# Altium PCB 600W INV MCU VA1.1.PcbDoc (part 1 of 2)
Units mm, origin at the board's own origin, x right, y up, seen from the top; angles counter-clockwise.
Board outline 99.5 x 45 mm, 4 copper layers (Top Layer, Layer 1, Layer 2, Bottom Layer), stack 1.812 mm thick; 222 components, 154 nets, 714 pads, 323 vias.
Unrouted connection lines stored in the file: 179.
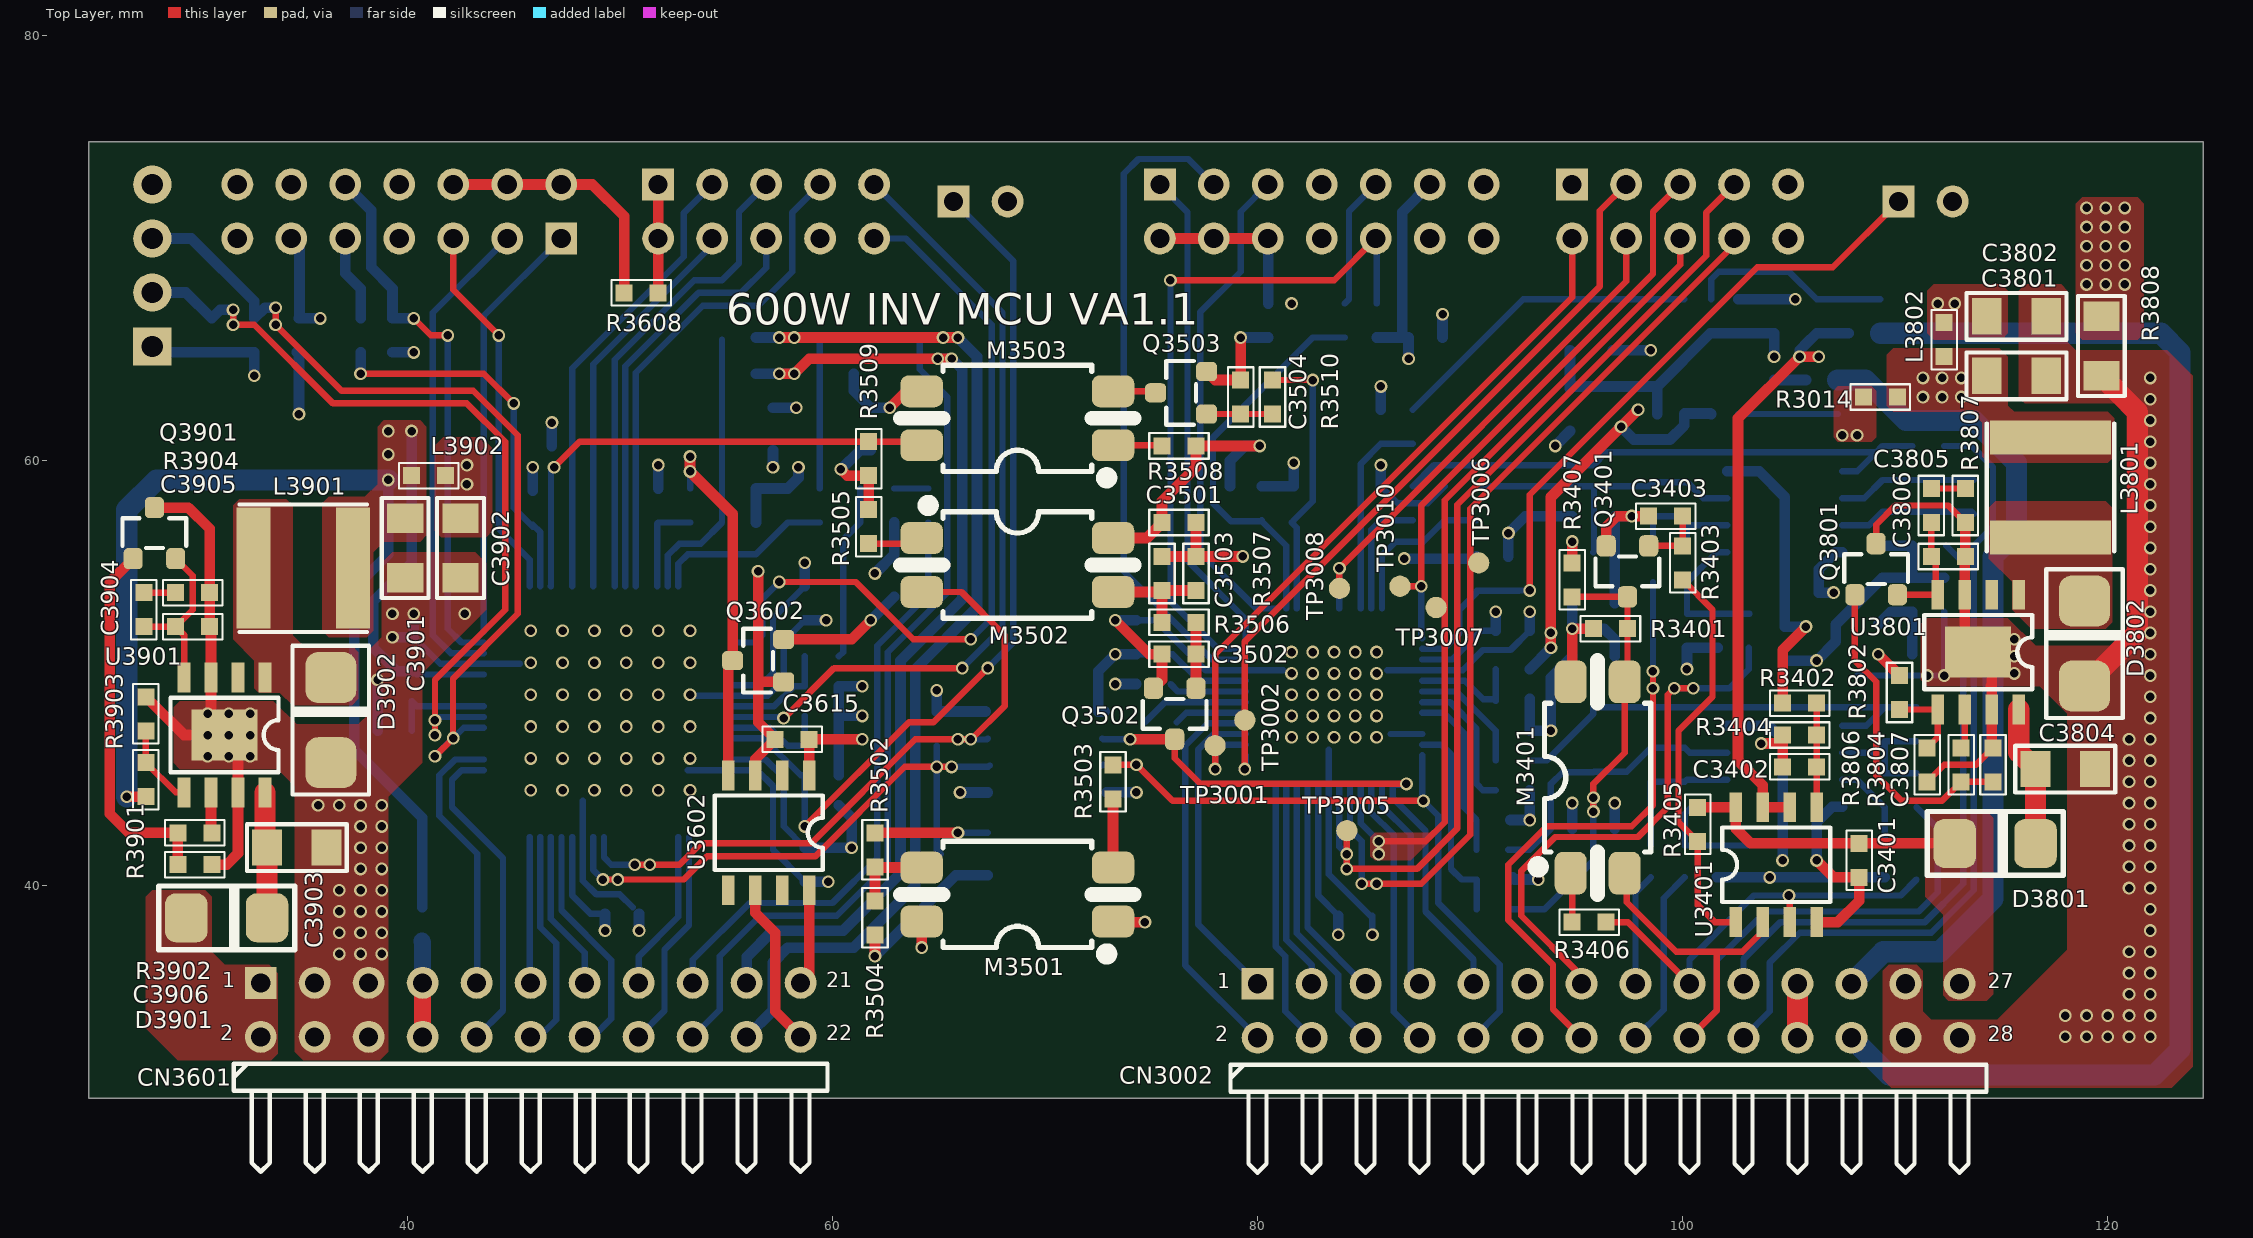
[diagram p0: Top Layer view]
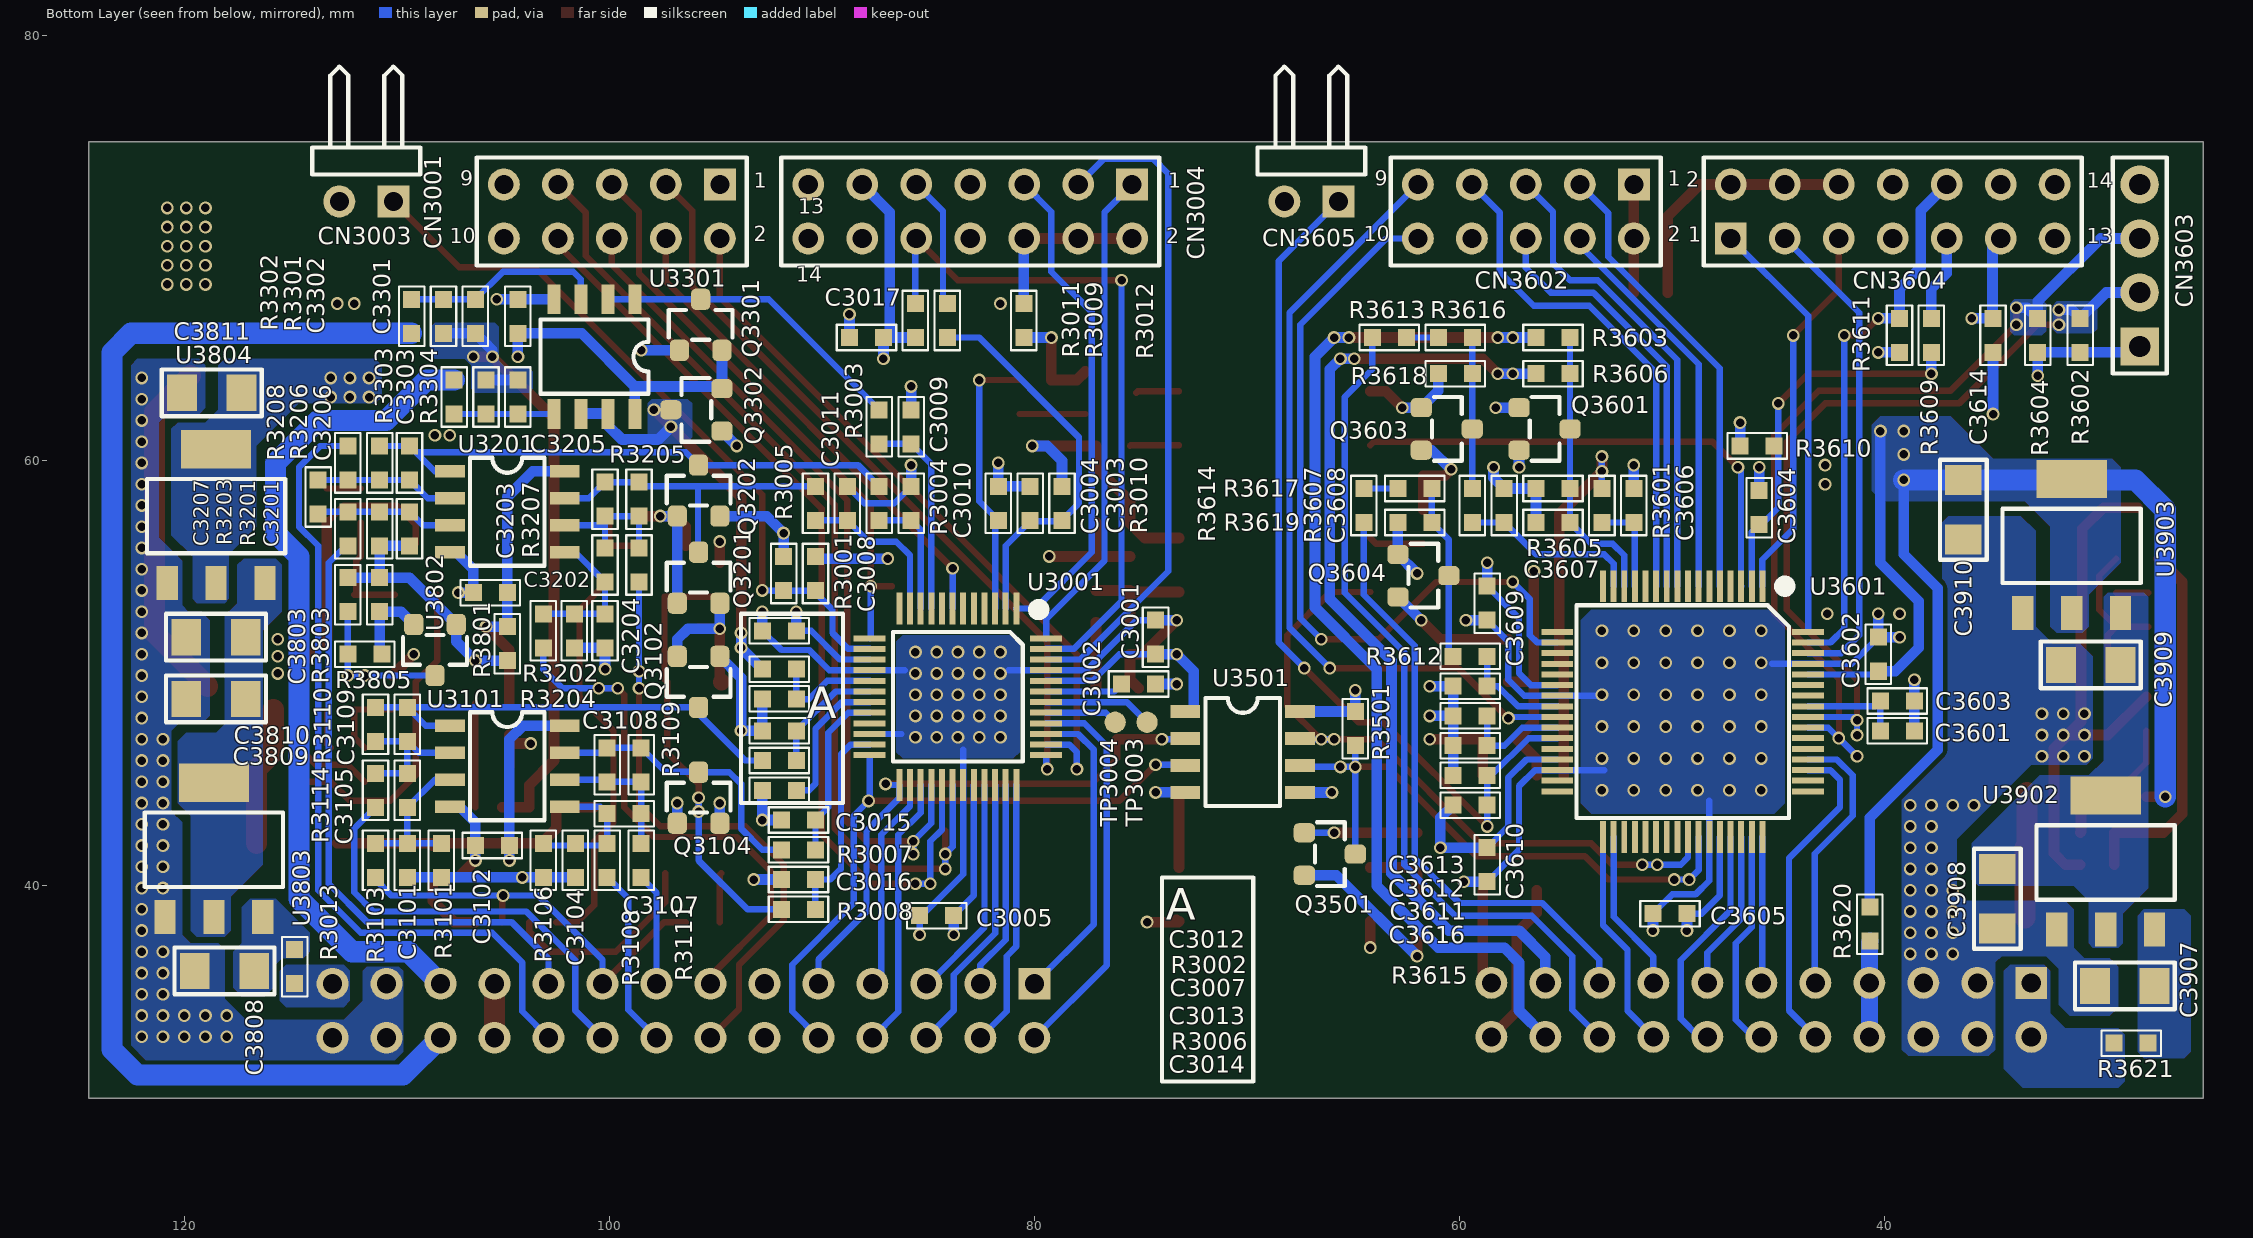
[diagram p1: Bottom Layer view, seen from below]
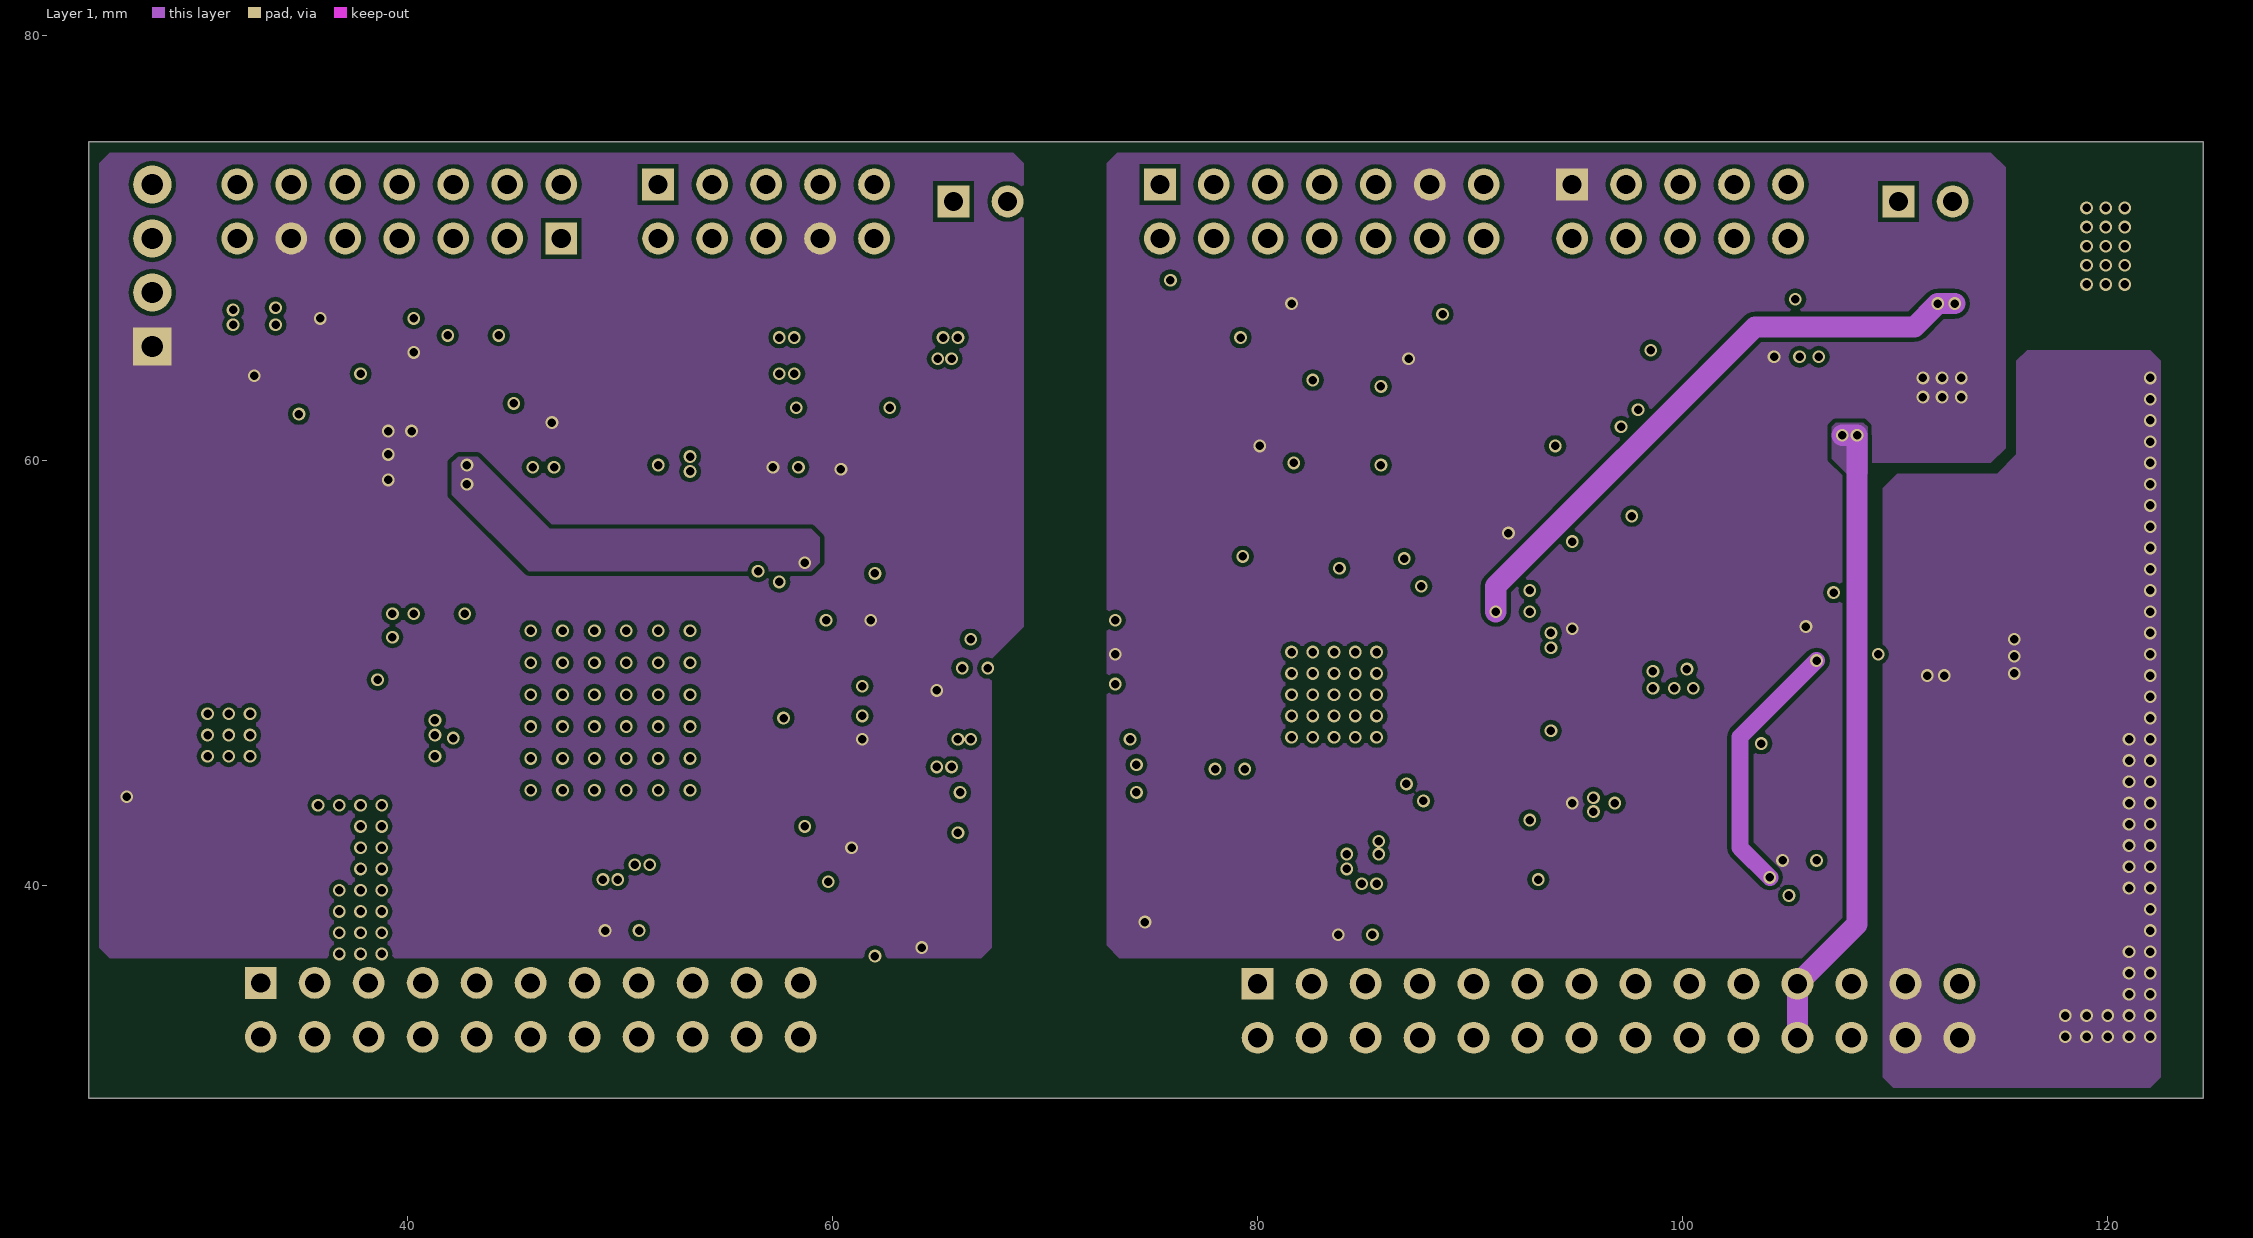
[diagram p2: Layer 1]
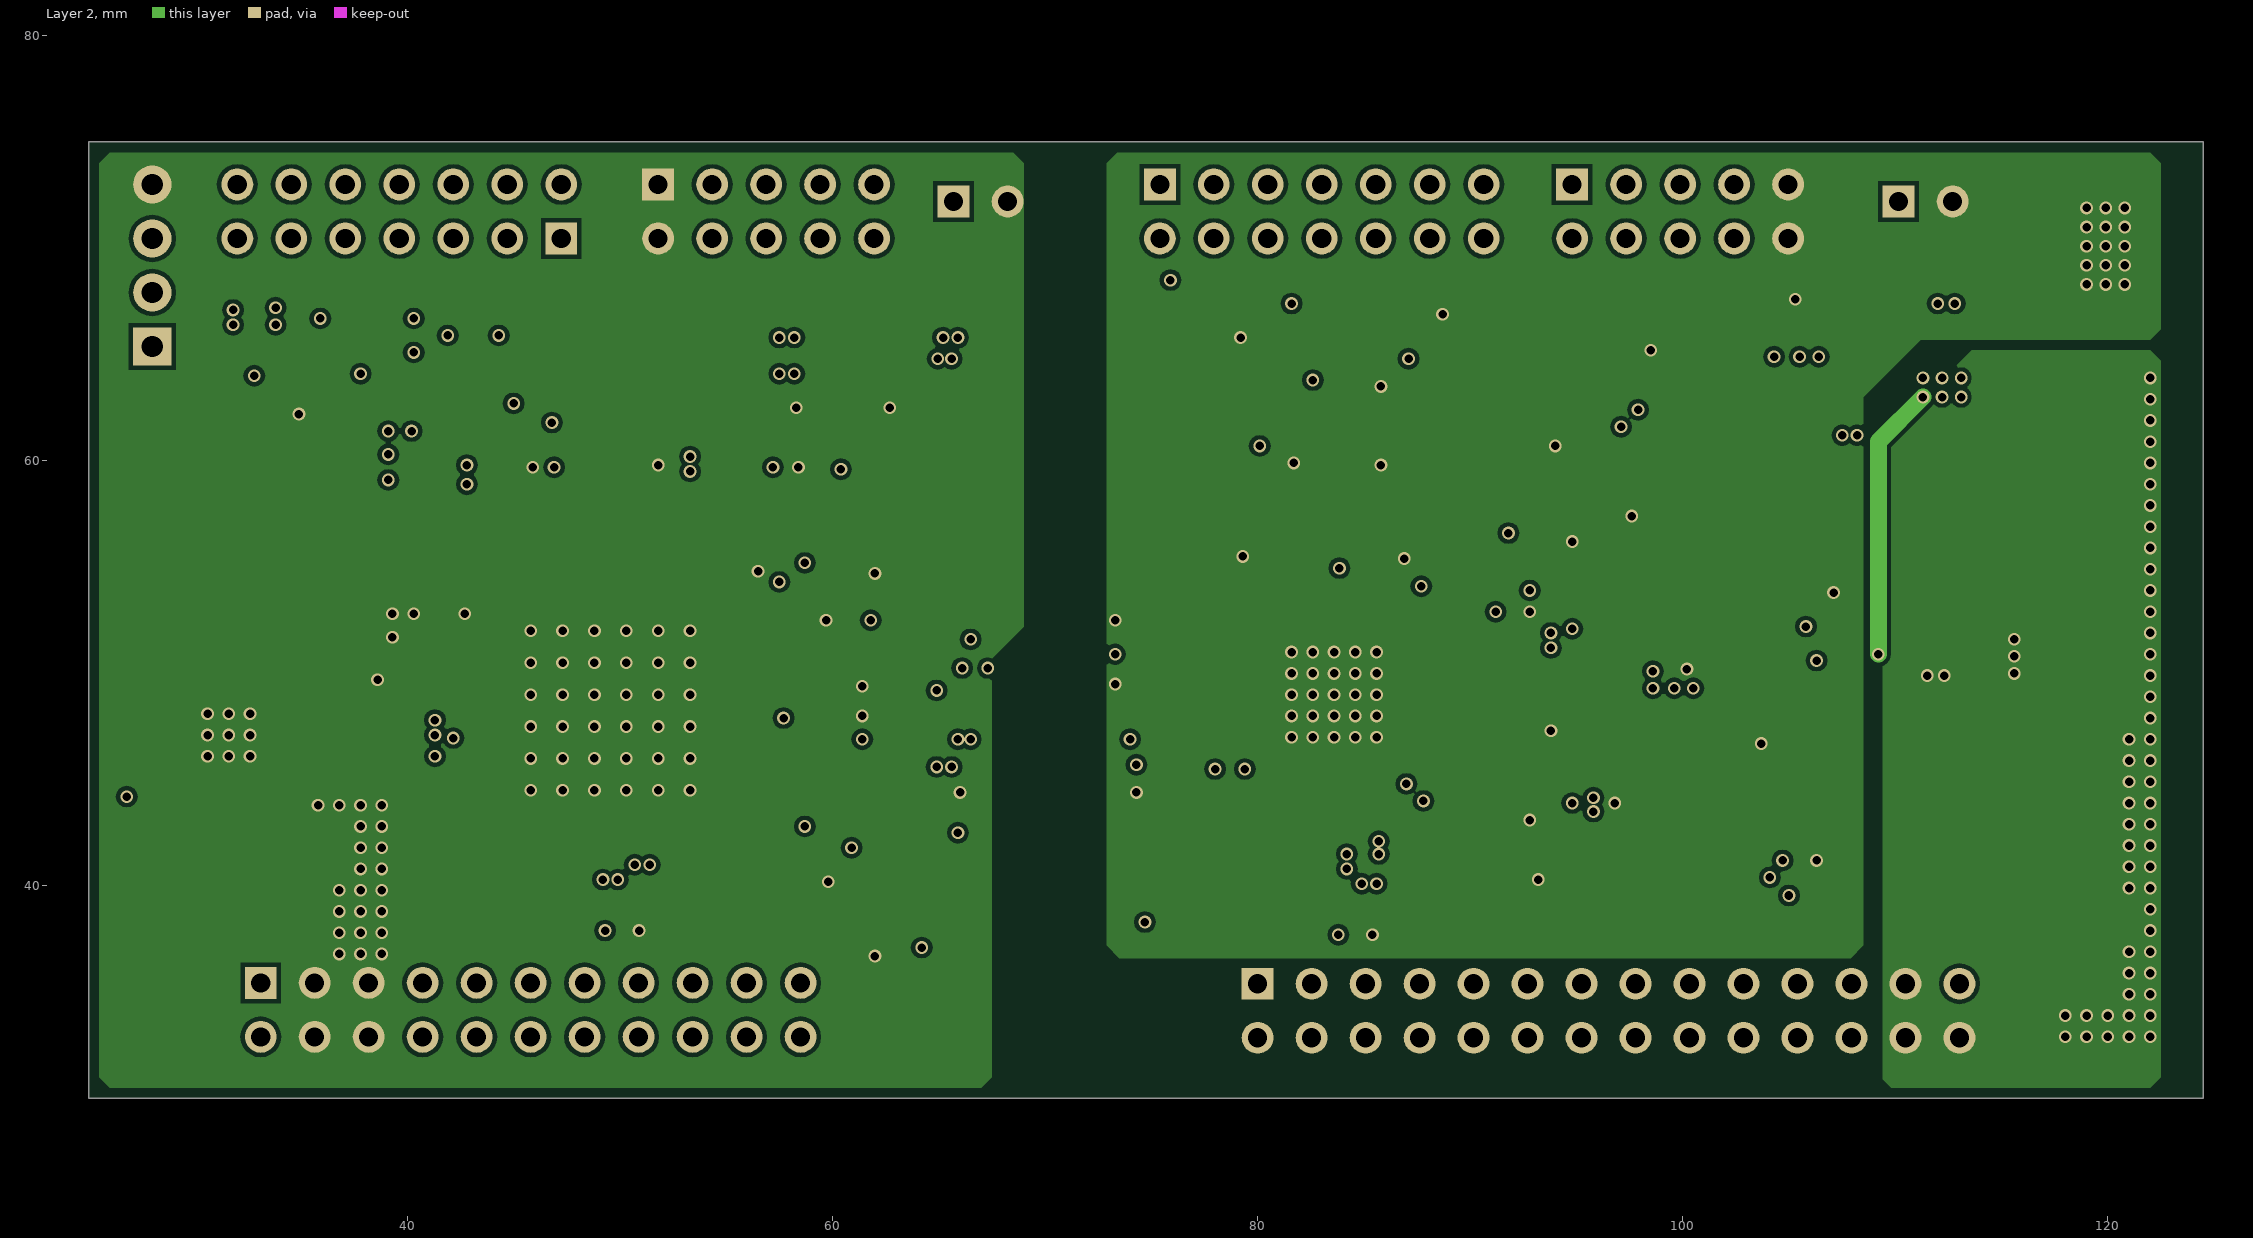
[diagram p3: Layer 2]

## Layer stack, top to bottom
Top Solder: solder mask 0.0102, Solder Resist, Dk 3.5
Top Layer: signal copper (thickness not stored)
Dielectric 1: prepreg 0.0711, PP-006, Dk 4.1
Layer 1: signal copper 0.035
Dielectric1: core 1.6, FR-4, Dk 4.8
Layer 2: signal copper 0.035
Dielectric 2: prepreg 0.0711, PP-006, Dk 4.1
Bottom Layer: signal copper (thickness not stored)
Bottom Solder: solder mask 0.0102, Solder Resist, Dk 3.5

## Board outline
25,30 25,75 124.5,75 124.5,30

## Design rules (kind name [scope] priority, off if disabled: settings)
Clearance Clearance_2 [InNet('PG1') vs InNet('DRAINPFC')] p1: gap=2 ignorepadtopadclearanceinfootprint=FALSE except(0: Arc-Hole Track-Hole SMDPad-Hole THPad-Hole Via-Hole Fill-Hole Poly-Hole Region-Hole Text-Hole)
Clearance Clearance_1 [InNet('NetC39_1') vs InNet('SGND') or InNet('NetC15_2')] p2: gap=1 ignorepadtopadclearanceinfootprint=FALSE except(0: Arc-Hole Track-Hole SMDPad-Hole THPad-Hole Via-Hole Fill-Hole Poly-Hole Region-Hole Text-Hole)
Clearance [All] p3: gap=0.2 ignorepadtopadclearanceinfootprint=FALSE except(0: Arc-Hole Track-Hole SMDPad-Hole THPad-Hole Via-Hole Fill-Hole Poly-Hole Region-Hole Text-Hole)
ComponentClearance [All] p1: gap=0 collisioncheckmode=3 verticalgap=0 showdistances=FALSE
FabricationTestpoint [(IsPad And (OnTopLayer Or OnBottomLayer))] p1: side=3 testpointundercomponent=TRUE minsize=1 maxsize=1 preferedsize=1 minholesize=0 maxholesize=0 preferedholesize=0 testpointgrid=0.025 allowsidetop=TRUE allowsidebottom=TRUE usegrid=FALSE gridtolerance=0
HoleSize [All] p1: absolutevalues=TRUE maxlimit=5 minlimit=0.5 maxpercent=80.000 minpercent=20.000
HoleSize Testpoint [All] p2: absolutevalues=TRUE maxlimit=2.54 minlimit=0.025 maxpercent=80.000 minpercent=20.000
HoleSize TestPointUsage [All] p3: absolutevalues=TRUE maxlimit=2.54 minlimit=0.025 maxpercent=80.000 minpercent=20.000
HoleToHoleClearance [All] p1: gap=0.8 allowstackedmicrovias=TRUE
MinimumSolderMaskSliver [All] p1: minsoldermaskwidth=0.25
MinimumSolderMaskSliver SilkscreenOverComponentPads [All] p2: minsoldermaskwidth=0.254
PlaneClearance [All] p1: clearance=0.25
PlaneConnect [All] p1: planeconnectstyle=Relief reliefexpansion=0.5 reliefentries=4 reliefconductorwidth=0.25 reliefairgap=0.25
PolygonConnect [All] p1: connectstyle=Direct reliefconductorwidth=0.254 reliefentries=4 polygonreliefangle="90 Angle" airgapwidth=0.254
RoutingCorners [All] p1: cornerstyle=45-Degree minsetback=2.5 maxsetback=2.5
RoutingPriority [All] p1: routingpriority=3
RoutingVias [All] p1: holewidth=0.8 width=2 viastyle="Through Hole" minholewidth=0.45 minwidth=0.9 maxholewidth=0.45 maxwidth=1
SilkToSilkClearance [All] p1: silktosilkclearance=0
SolderMaskExpansion [All] p1: expansion=0 istentingtop=FALSE
Width [All] p1: maxlimit=5 minlimit=0.3 preferedwidth=2
20 further rules are at their usual default settings.

## Classes and differential pairs
component class "Inverter-LLC Control": C3601 C3602 C3603 C3604 C3605 C3606 C3607 C3608 C3609 C3610 C3611 C3612 C3613 C3614 C3615 C3616 C3901 C3902 C3903 C3904 C3905 C3906 C3907 C3908 C3909 C3910 CN3601 CN3602 CN3603 CN3604 CN3605 D3901 D3902 L3901 L3902 Q3601 Q3602 Q3603 Q3604 Q3901 R3601 R3602 R3603 R3604 R3605 R3606 R3607 R3608 R3609 R3610 R3611 R3612 R3613 R3614 R3615 R3616 R3617 R3618 R3619 R3620 R3621 R3901 R3902 R3903 R3904 U3601 U3602 U3901 U3902 U3903
component class "600W INV MCU-2": C3501 C3502 C3503 C3504 M3501 M3502 M3503 Q3501 Q3502 Q3503 R3501 R3502 R3503 R3504 R3505 R3506 R3507 R3508 R3509 R3510 U3501
component class "600W INV MCU-1": 2 C3001 C3002 C3003 C3004 C3005 C3007 C3008 C3009 C3010 C3011 C3012 C3013 C3014 C3015 C3016 C3017 C3101 C3102 C3104 C3105 C3107 C3108 C3109 C3201 C3202 C3203 C3204 C3205 C3206 C3207 C3301 C3302 C3303 C3401 C3402 C3403 C3801 C3802 C3803 C3804 C3805 C3806 C3807 C3808 C3809 C3810 C3811 CN3001 CN3002 CN3003 CN3004 D3801 D3802 L3801 L3802 M3401 Q3102 Q3104 Q3201 Q3202 Q3301 Q3302 Q3401 Q3801 R3001 R3002 R3003 R3004 R3005 R3006 R3007 R3008 R3009 R3010 R3011 R3012 R3013 R3014 R3101 R3103 R3106 R3108 R3109 R3110 R3111 R3114 R3201 R3202 R3203 R3204 R3205 R3206 R3207 R3208 R3301 R3302 R3303 R3304 R3401 R3402 R3403 R3404 R3405 R3406 R3407 R3801 R3802 R3803 R3804 R3805 R3806 R3807 R3808 TP3001 TP3002 TP3003 TP3004 TP3005 TP3006 TP3007 TP3008 TP3010 U3001 U3101 U3201 U3301 U3401 U3801 U3802 U3803 U3804
